# Altium PCB udemy_osman.PcbDoc (part 1 of 2) (continued)
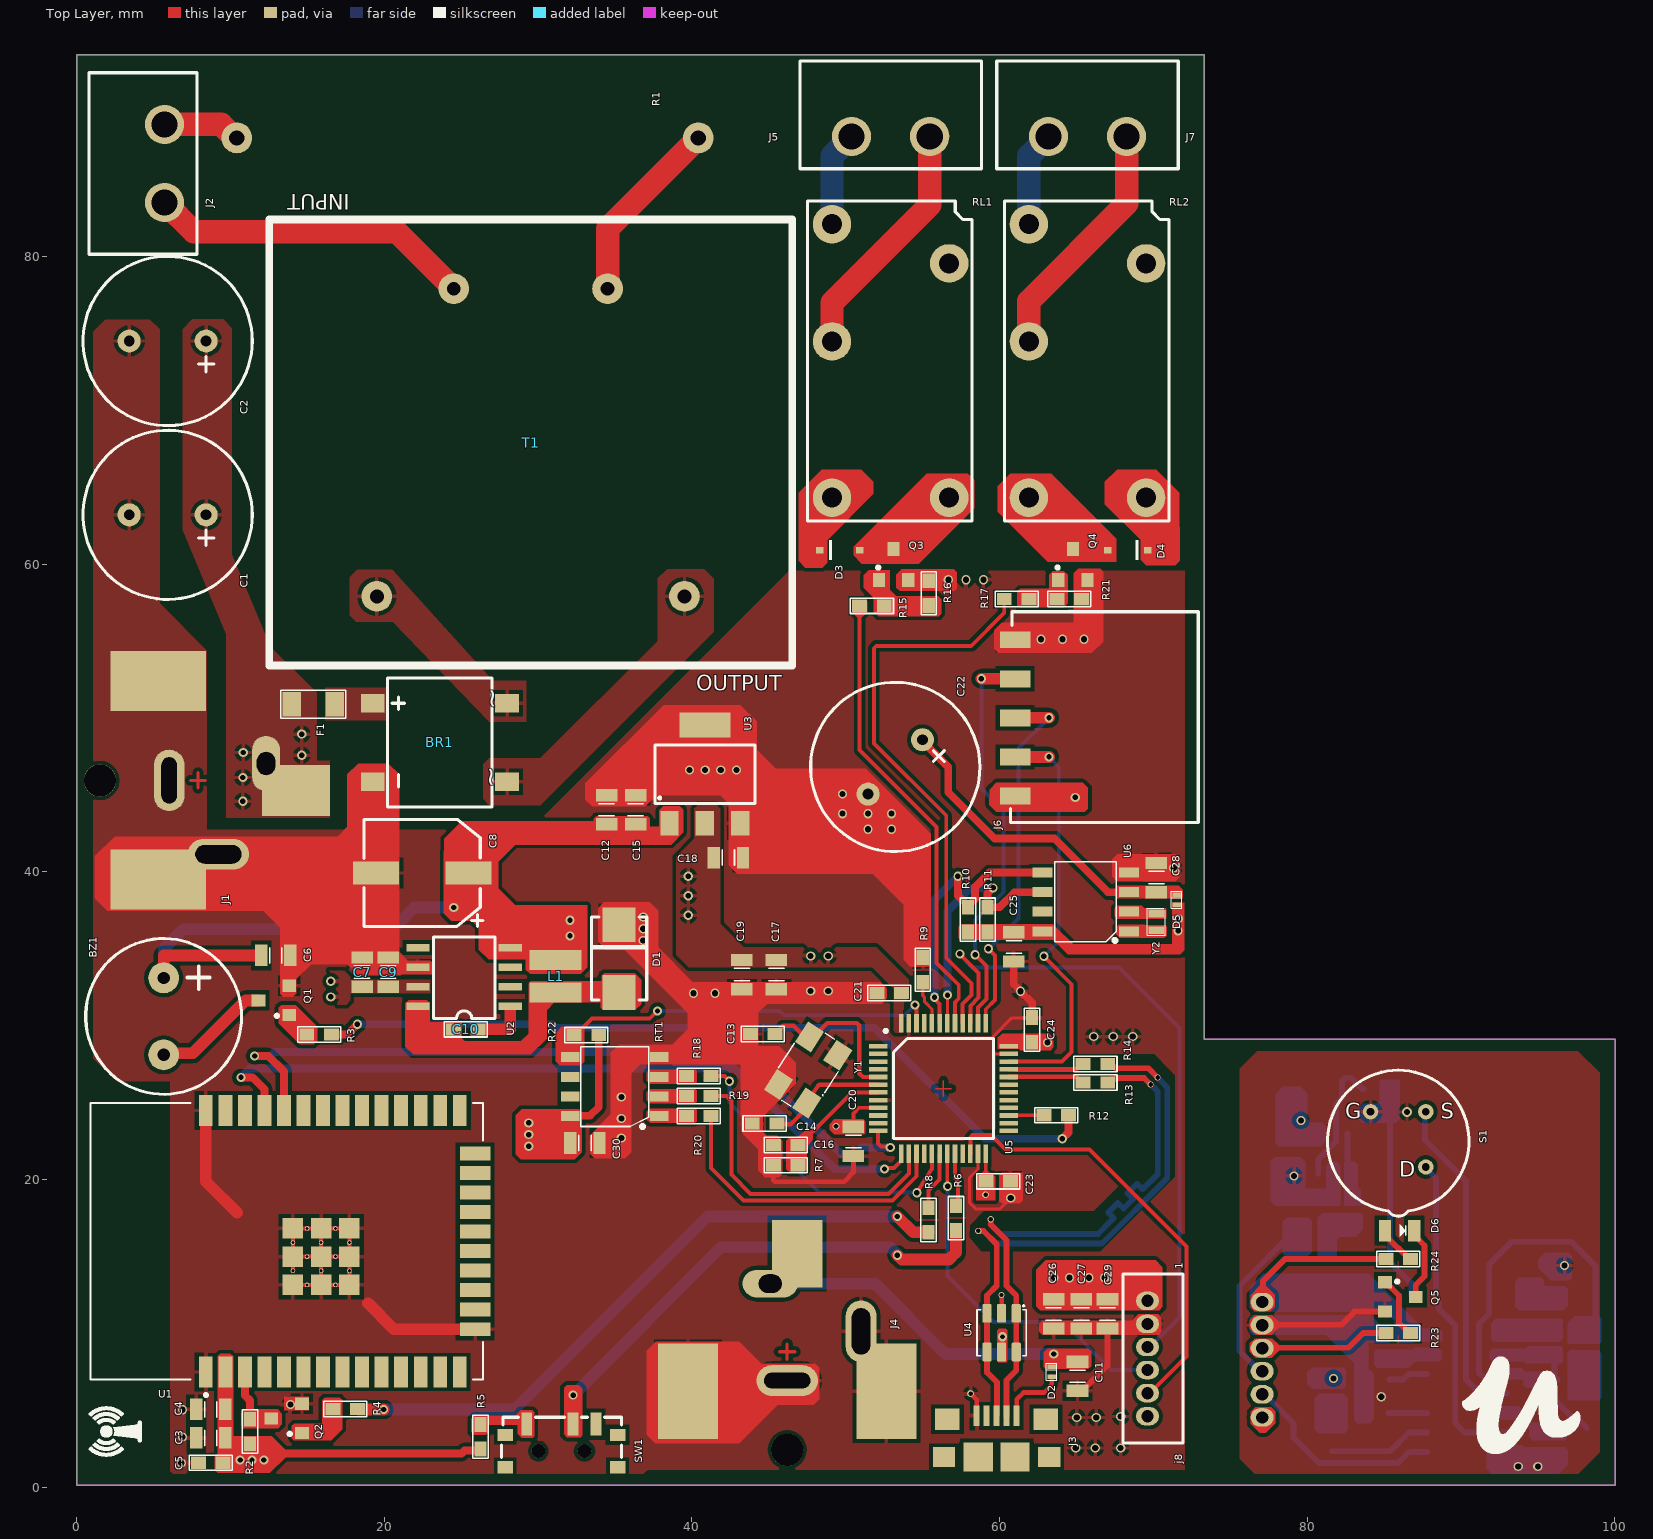
[diagram p0: Top Layer view]
## Components (designator, comment, footprint, x,y, rotation, side; value= is the part's Value field where it differs from the comment)
BR1 "DB105STR" DB105STR 23.62,48.41 r90 top
BZ1 "CMI-9605IC-0580T" CMI-9605IC-0580T 5.659,30.6 r0 top
C1 "470uF" ESH477M050AH4AA 5.92,63.21 r180 top (schematic designator C2)
C2 "470uF" ESH477M050AH4AA 5.92,74.51 r180 top (schematic designator C1)
C3 "CL21B105KBFNNNE" CAP_0805 8.722,3.201 r0 top value=1uF (schematic designator C23)
C4 "CL21A475KAQNNNE" CAP_0805 8.722,5.056 r0 top value=4.7uF (schematic designator C22)
C5 "C0603C104K1RACTU" CAP_0603 8.717,1.583 r0 top value=100nF (schematic designator C24)
C6 "CL21B104KBCNNNC" CAP_0805 12.949,34.563 r180 top value=100nF (schematic designator C30)
C7 "CL21B105KBFNNNE" CAP_0805 18.564,33.481 r270 top value=1uF (schematic designator C5)
C8 "EEV686M035S9HAA" CAP_EEVSERIES 22.474,39.922 r180 top value=68uF (schematic designator C3)
C9 "CL21B104KBCNNNC" CAP_0805 20.264,33.481 r270 top value=100nF (schematic designator C6)
C10 "0603B103K160CT" CAP_0603 25.293,29.762 r180 top value=10nF (schematic designator C7)
C11 "CL21A475KAQNNNE" CAP_0805 65.069,7.207 r90 top value=4.7uF (schematic designator C4)
C12 "CL21B104KBCNNNC" CAP_0805 34.462,44.037 r270 top value=100nF
C13 "CL10C200JB8NNNC" CAP_0603 44.61,29.457 r0 top value=20pF (schematic designator C15)
C14 "CL10C200JB8NNNC" CAP_0603 44.724,23.641 r0 top value=20pF (schematic designator C16)
C15 "CL21B105KBFNNNE" CAP_0805 36.346,44.037 r270 top value=1uF (schematic designator C11)
C16 "C0603C104K1RACTU" CAP_0603 46.108,22.244 r0 top value=100nF (schematic designator C20)
C17 "CL21B105KBFNNNE" CAP_0805 45.494,33.318 r90 top value=1uF (schematic designator C14)
C18 "CL21A475KAQNNNE" CAP_0805 42.372,40.928 r180 top value=4.7uF (schematic designator C13)
C19 "CL21B105KBFNNNE" CAP_0805 43.251,33.318 r90 top value=1uF (schematic designator C26)
C20 "CL21A475KAQNNNE" CAP_0805 50.502,22.472 r90 top value=4.7uF (schematic designator C25)
C21 "C0603C104K1RACTU" CAP_0603 52.827,32.124 r0 top value=100nF (schematic designator C28)
C22 "ESH477M050AH4AA" ESH477M050AH4AA 53.223,46.821 r225 top value=470uF (schematic designator C17)
C23 "C0603C104K1RACTU" CAP_0603 59.913,19.882 r180 top value=100nF (schematic designator C29)
C24 "C0603C104K1RACTU" CAP_0603 62.123,29.724 r270 top value=100nF (schematic designator C27)
C25 "CL21B105KBFNNNE" CAP_0805 60.929,35.122 r90 top value=1uF (schematic designator C19)
C26 "CL21A475KAQNNNE" CAP_0805 63.52,11.256 r90 top value=4.7uF (schematic designator C8)
C27 "CL21A475KAQNNNE" CAP_0805 65.32,11.256 r90 top value=4.7uF (schematic designator C9)
C28 "CL21B104KBCNNNC" CAP_0805 70.2,39.628 r270 top value=100nF (schematic designator C18)
C29 "CL21B105KBFNNNE" CAP_0805 67.02,11.256 r90 top value=1uF (schematic designator C10)
C30 "CL21B105KBFNNNE" CAP_0805 33.05,22.371 r180 top value=1uF (schematic designator C21)
C31 "C3216X5R1E336M160AC" CAP_1206 98.173,5.182 r270 bottom value=33uF (schematic designator C32)
C32 "0603B103K160CT" CAP_0603 98.673,9.082 r90 bottom value=10nF (schematic designator C37)
C33 "0603B103K160CT" CAP_0603 96.073,9.463 r90 bottom value=10nF (schematic designator C31)
C34 "C0603C104K1RACTU" CAP_0603 96.354,2.82 r90 bottom value=100nF (schematic designator C40)
C35 "C3216X5R1E336M160AC" CAP_1206 93.173,12.582 r0 bottom value=33uF (schematic designator C38)
C36 "C0603C104K1RACTU" CAP_0603 87.573,12.475 r0 bottom value=100nF (schematic designator C39)
C37 "CL21B105KBFNNNE" CAP_0805 83.397,11.499 r90 bottom value=1uF (schematic designator C36)
C38 "C0603C104K1RACTU" CAP_0603 84.943,9.158 r270 bottom value=100nF (schematic designator C33)
C39 "CL21A475KAQNNNE" CAP_0805 81.497,11.499 r90 bottom value=4.7uF (schematic designator C35)
C40 "CL21A475KAQNNNE" CAP_0805 81.473,17.982 r270 bottom value=4.7uF (schematic designator C42)
C41 "CL21A475KAQNNNE" CAP_0805 79.597,11.499 r90 bottom value=4.7uF (schematic designator C34)
C42 "CL21B105KBFNNNE" CAP_0805 79.473,17.882 r270 bottom value=1uF (schematic designator C43)
C43 "CL21B104KBCNNNC" CAP_0805 78.973,21.782 r90 bottom value=100nF (schematic designator C41)
D1 "1SMB5919BT3G" SMB 35.265,34.357 r270 top (schematic designator D4)
D2 "RB521CS30L,315" SOD882 63.393,7.512 r270 top (schematic designator D3)
D3 "1N4148WS" SOD-323F 49.62,60.91 r0 top value=4pF (schematic designator D1)
D4 "1N4148WS" SOD-323F 68.338,60.91 r180 top value=4pF (schematic designator D2)
D5 "RB521CS30L,315" SOD882 71.521,38.195 r270 top
D6 "LS R976-NR-1" LED_RED_0805 86.007,16.681 r180 top (schematic designator D7)
D7 "CMD17-21VGD/TR8" LED_GREEN_0805 81.613,3.282 r90 bottom (schematic designator D6)
F1 "FUS 3413.0216.22" 3413.0216.22 15.387,50.895 r180 top
J1 "PJ-037AH-SMT-TR" JACK 7.894,45.942 r0 top (schematic designator J3)
J2 "TBP01R1-508-02BE" TBP01R1-508 5.72,86.05 r270 top
J3 "10118192-0002LF" 10118192-0002LF 59.812,3.295 r0 top
J4 "PJ-037AH-SMT-TR" JACK 46.197,8.803 r90 top
J5 "TBP01R1-508-02BE" TBP01R1-508 52.92,87.81 r180 top
J6 "SMH-105-02-L-S" PINHEADER_1X5_RA 61.02,50.01 r90 top (schematic designator J7)
J7 "TBP01R1-508-02BE" TBP01R1-508 65.72,87.81 r180 top (schematic designator J6)
j8 "64800611622" 64800611622_ 69.621,8.36 r270 top
j9 "64800611622" 64800611622_ 77.073,8.282 r270 bottom
L1 "78438335470" IND_1212 31.135,33.208 r90 top value=47uH
Q1 "MMBT3904-7-F" SOT23-3 12.822,31.642 r90 top (schematic designator Q3)
Q2 "MMBT3904-7-F" SOT23-3 13.657,4.466 r90 top (schematic designator Q4)
Q3 "MMBT3904-7-F" SOT23-3 53.114,59.983 r0 top (schematic designator Q1)
Q4 "MMBT3904-7-F" SOT23-3 64.775,59.983 r0 top (schematic designator Q2)
Q5 "MMBT3904-7-F" SOT23-3 86.058,12.363 r270 top
R1 "5WD27" 5WD27 25.42,87.71 r0 top
R2 "RC0201JR-071KL" RES_0603 11.27,3.615 r90 top value=1kR (schematic designator R21)
R3 "RC0603FR-07100RL" RES_0603 15.768,29.432 r180 top value=100R (schematic designator R20)
R4 "RC0603FR-07100RL" RES_0603 17.47,5.068 r180 top value=100R (schematic designator R22)
R5 "RC0603FR-07100RL" RES_0603 26.258,3.27 r270 top value=100R (schematic designator R6)
R6 "RC0603FR-07100RL" RES_0603 57.17,17.494 r270 top value=100R (schematic designator R7)
R7 "RC0603FR-07100RL" RES_0603 46.096,20.923 r0 top value=100R (schematic designator R13)
R8 "RC0603FR-07100RL" RES_0603 55.392,17.367 r270 top value=100R (schematic designator R12)
R9 "RC0603FR-07100RL" RES_0603 55.011,33.623 r270 top value=100R (schematic designator R14)
R10 "RC0603JR-074K7L" RES_0603 57.957,36.9 r270 top value=4.7kR (schematic designator R8)
R11 "RC0603JR-074K7L" RES_0603 59.227,36.9 r270 top value=4.7kR (schematic designator R9)
R12 "RC0603FR-07100RL" RES_0603 63.685,24.174 r0 top value=100R (schematic designator R15)
R13 "RC0603JR-0715RL" RES_0603 66.238,26.312 r0 top value=15R (schematic designator R10)
R14 "RC0603JR-0715RL" RES_0603 66.238,27.512 r0 top value=15R (schematic designator R11)
R15 "RC0201JR-071KL" RES_0603 51.709,57.296 r0 top value=1kR (schematic designator R2)
R16 "RC0603FR-0710KL" RES_0603 55.4,58.119 r90 top value=10kR (schematic designator R4)
R17 "RC0201JR-071KL" RES_0603 61.11,57.735 r0 top value=1kR (schematic designator R3)
R18 "RC0603FR-07100RL" RES_0603 40.447,26.734 r0 top value=100R
R19 "RC0603FR-07100RL" RES_0603 40.447,25.434 r0 top value=100R
R20 "RC0603FR-07100RL" RES_0603 40.447,24.134 r0 top value=100R (schematic designator R16)
R21 "RC0603FR-0710KL" RES_0603 64.536,57.728 r0 top value=10kR (schematic designator R5)
R22 "RC0603FR-0710KL" RES_0603 33.142,29.381 r0 top value=10kR (schematic designator R17)
R23 "RC0201JR-071KL" RES_0603 85.92,10.014 r0 top value=1kR (schematic designator R33)
R24 "RC0603FR-07100RL" RES_0603 85.918,14.84 r180 top value=100R (schematic designator R32)
R25 "RC0603JR-07560KL" RES_0603 97.373,9.082 r90 bottom value=560kR (schematic designator R28)
R26 "RC0603FR-0710KL" RES_0603 96.373,13.282 r90 bottom value=10kR (schematic designator R30)
R27 "RC0603FR-0710KL" RES_0603 95.473,7.001 r0 bottom value=10kR (schematic designator R26)
R28 "RC0603JR-07560KL" RES_0603 94.773,9.463 r90 bottom value=560kR (schematic designator R24)
R29 "RC0201JR-0743KL" RES_0603 95.054,2.82 r90 bottom value=43kR (schematic designator R31)
R30 "RC0201JR-07220KL" RES_0603 86.243,9.158 r90 bottom value=220kR (schematic designator R23)
R31 "RC0603JR-070RL" RES_0603 84.487,4.83 r0 bottom value=0R (schematic designator R29)
R32 "RC0603JR-070RL" RES_0603 84.538,7.001 r0 bottom value=0R (schematic designator R27)
R33 "RC0603FR-0710KL" RES_0603 84.473,25.882 r180 bottom value=10kR (schematic designator R36)
R34 "RC0201JR-071KL" RES_0603 82.973,17.982 r270 bottom value=1kR
R35 "RC0201JR-071KL" RES_0603 81.713,6.282 r90 bottom value=1kR (schematic designator R25)
R36 "SR0603FR-7T100KL" RES_0603 80.474,15.587 r180 bottom value=100k (schematic designator R35)
RL1 "ALQ112" ALQ112 52.92,73.21 r90 top
RL2 "ALQ112" ALQ112 65.72,73.21 r90 top
RT1 "MAX6662MSA+" MAX6662MSA+ 34.99,26.044 r90 top
RT2 "TFPT1206L1002FM" TFPT1206 80.473,24.882 r0 bottom value=10kR
S1 "LHI 878/3902" "LHI 878" 85.92,22.61 r0 top
SW1 "EG1215AA" SW_EG1215AA 31.521,2.343 r0 top
T1 "BV302S12010-ZU" BV302S12010-ZU 29.52,67.91 r0 top
U1 "ESP32-WROOM-32" ESP32 17.156,15.982 r90 top (schematic designator U6)
U2 "LM2675MX-12/NOPB" LM2675MX-12/NOPB 25.191,33.166 r90 top (schematic designator U1)
U3 "AP7361-33E-13" AP7361-33E-13 40.846,46.349 r0 top (schematic designator U2)
U4 "USBLC6-2SC6" SOT23-6 60.137,10.039 r270 top value=3.5pF (schematic designator U3)
U5 "STM32F103C6T6A" LQFP-48 56.355,25.912 r270 top
U6 "M41T00M6F" M41T00 65.603,38.043 r90 top (schematic designator U4)
U7 "NCS36000DRG" SOIC-14 90.405,6.087 r270 bottom
U8 "OPA314AIDBVR" SOT23-5 81.673,21.682 r90 bottom
Y1 "ECS-160-20-30B-TR" ECS 47.558,27.126 r57 top (schematic designator Y2)
Y2 "ABS05-32.768KHZ-T" ABS05 70.2,36.747 r270 top (schematic designator Y1)

## Footprints (in the part's own frame and the unit in brackets; to place one, negate y for a bottom-side part, rotate by r counter-clockwise, add the part's x,y. Pads: shape width x height; smd on the part's side, far side on the other; paste and mask are expansions set on the pad)
5WD27 [mm]
  round 2 hole 1 mask+0.06: 1(-15,0) 2(15,0)
  body extent -15.4,-4.82 15.4,4.83, height 9.65
3413.0216.22 [mm] "FUSE"
  rect 1.2x1.6 smd mask+0.06: 1(-1.4,0) 2(1.4,0)
  silkscreen extent -2.1,-0.9 2.1,0.9, body extent -1.6,-0.8 1.6,0.8, height 0.61
10118192-0002LF [mm] "usb b"
  rect 0.4x1.35 smd: 1(-1.3,1.338) 2(-0.65,1.338) 3(0,1.338) 4(0.65,1.338) 5(1.3,1.338)
  rect 1.45x1.3 smd: 6(-3.425,-1.337) 6(3.425,-1.337)
  rect 1.6x1.4 smd: 6(-3.2,1.113) 6(3.2,1.113)
  rect 1.9x1.9 smd: 6(-1.2,-1.337) 6(1.2,-1.337)
  body extent -3.9,-3.51 3.9,1.49, height 2.73
64800611622_ [mm]
  oval 1.2x1.5 hole 0.8 mask+0.06: 1(-3.75,0) 2(-2.25,0) 3(-0.75,0) 4(0.75,0) 5(2.25,0) 6(3.75,0)
  silkscreen extent -5.5,-1.6 5.5,2.3, body extent -5.25,-1.35 5.25,2.15, height 4.75
ABS05 [mm]
  rect 0.5x1 smd mask+0.06: 1(-0.55,0) 2(0.55,0)
  silkscreen extent -0.88,-0.58 0.88,0.58, body extent -0.8,-0.5 0.8,0.5, height 0.5
ALQ112 [mm]
  round 2.5 hole 1.3 paste-2539.97 mask+0.05: 1(6.35,-3.81) 2(1.27,3.81) 3(8.89,3.81) 4(-8.89,-3.81) 5(-8.89,3.81)
  silkscreen extent -10.4,-5.3 10.4,5.4, body extent -10,-5 10,5, height 15.6
AP7361-33E-13 [mm]
  rect 1.2x1.6 smd paste+0 mask+0.06: 1(-2.3,-3.2) 2(0,-3.2) 3(2.3,-3.2)
  rect 3.3x1.6 smd paste+0 mask+0.06: 3(0,3.2)
  silkscreen extent -3.25,-1.9 3.25,1.9, body extent -3.25,-3.5 3.25,3.5, height 1.8
BV302S12010-ZU [mm]
  round 2 hole 0.9 mask+0.06: 1(-5,10) 5(5,10) 7(-10,-10) 9(10,-10)
  silkscreen extent -17,-14.5 17,14.5, body extent -16.25,-13.75 16.25,13.75, height 21.9
CAP_0603 [mil]
  rect 38x31 smd paste+0 mask+1.97: 1(-31.5,0) 2(31.5,0)
  silkscreen extent -55,-20 55,20, body extent -41,-20 41,20, height 31
CAP_0805 [mm]
  rect 0.8x1.4 smd mask+0.06: 1(-0.95,0)
  rect 0.8x1.4 smd paste+0 mask+0.06: 2(0.95,0)
  silkscreen extent -0.4,-0.5 0.4,0.5, body extent -1,-0.63 1,0.63, height 1.4
CAP_1206 [mm]
  rect 1.44x1.82 smd mask+0.06: 1(-1.336,0) 2(1.336,0)
  silkscreen extent -0.48,-0.87 0.48,0.87, body extent -1.6,-0.8 1.6,0.8, height 1.8
CAP_EEVSERIES [mm]
  rect 3x1.5 smd mask+0.06: 1(-3,0) 2(3,0)
  silkscreen extent -3.94,-3.48 3.8,3.48, body extent -3.8,-3.4 3.8,3.4, height 8.01
CMI-9605IC-0580T [mm]
  round 2 hole 0.8 paste-2539.97 mask+0.05: 1(0,2.5) 2(0,-2.5)
  silkscreen extent -5.06,-5.06 5.06,5.06, body extent -4.8,-4.8 4.8,5.5, height 5.2
DB105STR [mm]
  rect 1.2x1.55 smd paste+0 mask+0.06: 1(-2.552,-4.37) 2(2.552,-4.37) 3(2.552,4.37) 4(-2.552,4.37)
  silkscreen extent -4.2,-3.4 4.2,3.4, body extent -4.15,-4.95 4.15,4.95, height 3.4
ECS [mm]
  rect 1.6x1.25 smd mask+0.06: 1(-1.85,-1.1) 2(1.85,-1.1) 3(1.85,1.1) 4(-1.85,1.1)
  silkscreen extent -2.6,-1.73 2.6,1.7, body extent -2.5,-1.6 2.5,1.6, height 0.85
ESH477M050AH4AA [mm]
  round 1.5 hole 0.7 mask+0.06: 1(-2.5,0) 2(2.5,0)
  silkscreen extent -5.5,-5.5 5.5,5.5, body extent -5.25,-5.25 5.25,5.25, height 22.1
ESP32 [mm]
  rect 2x0.9 smd mask+0.06: 1(-8.5,8.755) 2(-8.5,7.485) 3(-8.5,6.215) 4(-8.5,4.945) 5(-8.5,3.675) 6(-8.5,2.405) 7(-8.5,1.135) 8(-8.5,-0.135) 9(-8.5,-1.405) 10(-8.5,-2.675) 11(-8.5,-3.945) 12(-8.5,-5.215) 13(-8.5,-6.485) 14(-8.5,-7.755) 25(8.5,-7.755) 26(8.5,-6.485) 27(8.5,-5.215) 28(8.5,-3.945) 29(8.5,-2.675) 30(8.5,-1.405) 31(8.5,-0.135) 32(8.5,1.135) 33(8.5,2.405) 34(8.5,3.675) 35(8.5,4.945) 36(8.5,6.215) 37(8.5,7.485) 38(8.5,8.755)
  rect 0.9x2 smd mask+0.06: 15(-5.715,-8.755) 16(-4.445,-8.755) 17(-3.175,-8.755) 18(-1.905,-8.755) 19(-0.635,-8.755) 20(0.635,-8.755) 21(1.905,-8.755) 22(3.175,-8.755) 23(4.445,-8.755) 24(5.715,-8.755)
  rect 1.33x1.33 smd mask+0.06: 39(-2.835,3.09) 39(-2.835,-0.58) 39(-2.835,1.255) 39(-1,3.09) 39(-1,-0.58) 39(-1,1.255) 39(0.835,3.09) 39(0.835,-0.58) 39(0.835,1.255)
  round 0.3 hole 0.2 mask+0.06: 39(-2.835,0.338) 39(-2.835,2.173) 39(-1.917,3.09) 39(-1.917,-0.58) 39(-1.917,1.255) 39(-1,2.173) 39(-1,0.338) 39(-0.082,3.09) 39(-0.082,1.255) 39(-0.082,-0.58) 39(0.835,2.173) 39(0.835,0.338)
  silkscreen extent -10.1,-9.25 9,16.25, body extent -9,-9.25 9,16.25, height 3.2
IND_1212 [mm]
  rect 1.3x3.4 smd: 1(-1.05,0) 2(1.05,0)
  body extent -1.5,-1.5 1.5,1.5, height 1.2
JACK [mm]
  oval 1.8x3.6 hole 1.2 slot 1.5 at 90 deg: 1(4.425,1.1)
  rect 4.4x3.3 smd: 1(6.375,-0.65)
  rect 6.2x3.9 smd: 2(-2.575,6.45) 3(-2.575,-6.45)
  oval 2x4 hole 1 slot 3 at 90 deg: 2(-1.875,0)
  oval 4x2 hole 1.2 slot 3 at 0 deg: 3(1.325,-4.8)
  round 2.1 hole 2.1 unplated: ""(-6.375,0)
  Top Layer lines w0.2: -0.5,0 0.5,0 ; 0,-0.5 0,0.5
  body extent -9.38,-7.55 7.73,7.65, height 11
LED_GREEN_0805 [mm]
  rect 0.8x1.4 smd mask+0.06: 1(-0.95,0)
  rect 0.8x1.4 smd paste+0 mask+0.06: 2(0.95,0)
  silkscreen extent -0.4,-0.4 0,0.4, body extent -1.01,-0.63 1.01,0.63, height 1.1
LED_RED_0805 [mm]
  rect 0.8x1.4 smd mask+0.06: 1(-0.95,0)
  rect 0.8x1.4 smd paste+0 mask+0.06: 2(0.95,0)
  silkscreen extent -0.4,-0.4 0,0.4, body extent -1.01,-0.63 1.01,0.63, height 1.1
"LHI 878" [mm]
  round 1 hole 0.5 paste-2539.97 mask+0.06: 1(1.796,-1.796) 2(1.796,1.796) 3(-1.796,1.796)
  silkscreen extent -4.59,-5 4.6,4.49, body extent -4.6,-5.03 4.6,4.6, height 4.6
LM2675MX-12/NOPB [mm]
  rect 0.5x1.5 smd paste+0 mask+0.05: 1(-1.905,-3) 2(-0.635,-3) 3(0.635,-3) 4(1.905,-3) 5(1.905,3) 6(0.635,3) 7(-0.635,3) 8(-1.905,3)
  silkscreen extent -2.7,-2 2.6,2, body extent -2.45,-2.95 2.45,2.95, height 1.5
LQFP-48 [mm] "7mmx7mm"
  rect 0.3x1.2 smd paste+0 mask+0.05: 1(-2.75,-4.25) 2(-2.25,-4.25) 3(-1.75,-4.25) 4(-1.25,-4.25) 5(-0.75,-4.25) 6(-0.25,-4.25) 7(0.25,-4.25) 8(0.75,-4.25) 9(1.25,-4.25) 10(1.75,-4.25) 11(2.25,-4.25) 12(2.75,-4.25) 25(2.75,4.25) 26(2.25,4.25) 27(1.75,4.25) 28(1.25,4.25) 29(0.75,4.25) 30(0.25,4.25) 31(-0.25,4.25) 32(-0.75,4.25) 33(-1.25,4.25) 34(-1.75,4.25) 35(-2.25,4.25) 36(-2.75,4.25)
  rect 1.2x0.3 smd paste+0 mask+0.05: 13(4.25,-2.75) 14(4.25,-2.25) 15(4.25,-1.75) 16(4.25,-1.25) 17(4.25,-0.75) 18(4.25,-0.25) 19(4.25,0.25) 20(4.25,0.75) 21(4.25,1.25) 22(4.25,1.75) 23(4.25,2.25) 24(4.25,2.75) 37(-4.25,2.75) 38(-4.25,2.25) 39(-4.25,1.75) 40(-4.25,1.25) 41(-4.25,0.75) 42(-4.25,0.25) 43(-4.25,-0.25) 44(-4.25,-0.75) 45(-4.25,-1.25) 46(-4.25,-1.75) 47(-4.25,-2.25) 48(-4.25,-2.75)
  Top Layer lines w0.1: 0,-0.5 0,0.5 ; 0.5,0 -0.5,0
  silkscreen extent -3.85,-3.85 3.25,3.25, body extent -4.5,-4.5 4.5,4.5, height 1.55
M41T00 [mm]
  rect 0.65x1.3 smd mask+0.06: 1(-1.905,-2.8) 2(-0.635,-2.8) 3(0.635,-2.8) 4(1.905,-2.8) 5(1.905,2.8) 6(0.635,2.8) 7(-0.635,2.8) 8(-1.905,2.8)
  silkscreen extent -2.6,-2 2.6,2, body extent -2.45,-3 2.45,3, height 1.75
MAX6662MSA+ [mm]
  rect 0.65x1.2 smd mask+0.06: 1(-1.905,-2.9) 2(-0.635,-2.9) 3(0.635,-2.9) 4(1.905,-2.9) 5(1.905,2.9) 6(0.635,2.9) 7(-0.635,2.9) 8(-1.905,2.9)
  silkscreen extent -2.7,-2.2 2.6,2.2, body extent -2.45,-3 2.45,3, height 1.75
PINHEADER_1X5_RA [mm]
  rect 1.1x2 smd: 1(-5.08,0) 2(-2.54,0) 3(0,0) 4(2.54,0) 5(5.08,0)
  silkscreen extent -6.8,-11.9 6.9,0.3, body extent -6.6,-11.69 6.6,0.25, height 2.42
RES_0603 [mil]
  rect 38x31 smd paste+0 mask+1.97: 1(-31.5,0) 2(31.5,0)
  silkscreen extent -55,-20 55,20, body extent -39,-20 39,19, height 18
SMB [mm]
  rect 2.25x2.15 smd: 1(-2.2,0) 2(2.2,0)
  silkscreen extent -2.7,-1.8 2.7,1.8, body extent -2.7,-1.81 2.7,1.81, height 2.47
SOD882 [mm]
  rect 0.29x0.53 smd mask+0.06: 1(-0.325,0) 2(0.325,0)
  silkscreen extent -0.55,-0.36 0.56,0.34, body extent -0.5,-0.3 0.5,0.3, height 0.48
SOD-323F [mm]
  rect 0.5x0.4 smd mask+0.06: 1(-1.3,0) 2(1.3,0)
  silkscreen extent -0.7,-0.65 -0.5,0.65, body extent -1.34,-0.65 1.34,0.65, height 1.15
SOIC-14 [mm]
  rrect25% 0.61x1.6 smd mask+0.06: 1(-3.81,-2.605) 2(-2.54,-2.605) 3(-1.27,-2.605) 4(0,-2.605) 5(1.27,-2.605) 6(2.54,-2.605) 7(3.81,-2.605) 8(3.81,2.605) 9(2.54,2.605) 10(1.27,2.605) 11(0,2.605) 12(-1.27,2.605) 13(-2.54,2.605) 14(-3.81,2.605)
  silkscreen extent -4.45,-2 4.45,2, body extent -4.33,-3.1 4.33,3.1, height 1.76
SOT23-3 [mm]
  rect 0.8x0.9 smd mask+0.06: 1(-0.95,-1) 2(0.95,-1) 3(0,1)
  silkscreen extent -1.1,-0.3 -0.9,-0.1, body extent -1.45,-1.2 1.45,1.2, height 1.1
SOT23-5 [mm]
  rect 1.1x0.6 smd mask+0.06: 1(-1.3,0.95) 2(-1.3,0) 3(-1.3,-0.95) 4(1.3,0.95) 5(1.3,-0.95)
  silkscreen extent -1.4,-1.39 0.81,1.6, body extent -1.4,-1.45 1.4,1.45, height 1.45
SOT23-6 [mm]
  rrect25% 1.21x0.59 smd mask+0.06: 1(-1.255,0.95) 2(-1.255,0) 3(-1.255,-0.95) 4(1.255,-0.95) 5(1.255,0) 6(1.255,0.95)
  silkscreen extent -1.75,-1.6 1.5,1.59, body extent -1.5,-1.52 1.5,1.52, height 1.45
SW_EG1215AA [mm]
  rect 0.7x1.5 smd: 1(-2.25,1.75) 2(0.75,1.75) 3(2.25,1.75)
  rect 1x0.8 smd: S1(-3.65,1.05) S2(-3.65,-1.05) S3(3.65,-1.05) S4(3.65,1.05)
  round 0.9 hole 0.9 unplated: ""(-1.5,0) ""(1.5,0)
  silkscreen extent -3.9,-0.4 3.9,2.2, body extent -3.85,-2.7 3.85,2.2, height 1.4
TBP01R1-508 [mm]
  round 2.55 hole 1.7: 1(-2.54,0) 2(2.54,0)
  silkscreen extent -5.9,-4.9 5.9,2.1, body extent -5.86,-9.9 5.9,2.1, height 8.5
TFPT1206 [mm]
  rect 1.15x1.7 smd: 1(-1.4,0) 2(1.4,0)
  silkscreen extent -2.15,-1.03 2.15,1.03, body extent -1.53,-0.75 1.53,0.75, height 0.65

## Part data
BR1: "Bridge Rect 1PHASE 600V 1A Db-s", Manufacturer="Sangdest Microelectronics", Max Current=1A, Operating Voltage=600V, Supplier Part Number=1655-DB105SCT-ND, Category=Uncategorized, Designed By=Osman, Manufacturer Part Number=DB105STR, RoHS=No, Stock=19251, Supplier=Digi-Key
BZ1: "Audio Buzzer Magnetic 3VDC 7VDC 30mA 5VDC 85dB 2600Hz to 2800Hz Through Hole Pin Box", Manufacturer="CUI Devices", Supplier Part Number=490-CMI-9605IC-0580T, Category="Audio Products", Manufacturer Part Number=CMI-9605IC-0580T, Pricing="1=1,42, 10=1,19, 50=1,04, 100=0,975, 1000=0,838, 10000=0,768 (USD)", RoHS=No, Stock=1177, Supplier=Mouser
C1 C2: library part "CAP ALU 470uF", "Cap, 470UF, 50V, Alu Elec, Radial", Manufacturer=KEMET, Manufacturer Part Number=ESH477M050AH4AA, Supplier Part Number=80-ESH477M050AH4AA, ComponentLink1Description=https://api.kemet.com/component-edge/download/datasheet/ESH477M050AH4AA.pdf?src-supplier=Digi-Key, ComponentLink1URL=https://api.kemet.com/component-edge/download/datasheet/ESH477M050AH4AA.pdf?src-supplier=Digi-Key, ComponentLink2Description=https://datasheet.octopart.com/ESH477M050AH4AA-KEMET-datasheet-130075338.pdf?src-supplier=Newark, ComponentLink2URL=https://datasheet.octopart.com/ESH477M050AH4AA-KEMET-datasheet-130075338.pdf?src-supplier=Newark, Designed By=Osman, Pricing="1=0,57, 10=0,338, 50=0,338, 100=0,222, 1000=0,167, 10000=0,148 (USD)", RoHS=Yes, Stock=9408, Supplier=Mouser
C3 C7 C15 C17 C19 C25 C29 C30 C37 C42: library part "CAP CER 1uF 0805", "CAP CER 1uF %10 0805", Case Code (Metric)=2012, Case Code (Imperial)=0805, Dielectric=X7R, Manufacturer=Samsung, Max Operating Temperature=125°C, Min Operating Temperature=-55°C, Package Quantity=1, Supplier Part Number=187-CL21B105KBFNNNE, Tolerance=10%, Voltage=50V, Case/Package=0805, Category="Ceramic Capacitors", ComponentLink1Description=https://datasheet.ciiva.com/25800/cl21b105kbfnnne-25800291.pdf?src-supplier=Digi-Key, ComponentLink1URL=https://datasheet.ciiva.com/25800/cl21b105kbfnnne-25800291.pdf?src-supplier=Digi-Key, Construction=Flat, Depth=1.25mm, Designed By=Osman, Height=1.25mm, Length=2mm, Manufacturer Part Number=CL21B105KBFNNNE, Material=Ceramic, Mounting Technology="Surface Mount", Packaging="Tape and Reel", Pricing="1=0,11, 10=0,045, 50=0,045, 100=0,027, 1000=0,026, 10000=0,015 (USD)", Radiation Hardening=No, RoHS=Yes, RoHS Compliant=Yes, Series=CL, Stock=126210, Supplier=Mouser, Thickness=0.053inch, Voltage Rating=50V, Voltage Rating (DC)=50V, Width=0.049inch
C4 C11 C18 C20 C26 C27 C39 C40 C41: library part "CAP CER 4.7uF 0805", "CAP CER 4.7uF %10 0805", Case Code (Metric)=2012, Case Code (Imperial)=0805, Dielectric=X5R, Manufacturer=Samsung, Max Operating Temperature=85°C, Min Operating Temperature=-55°C, Supplier Part Number=187-CL21A475KAQNNNE, Tolerance=10%, Voltage Rating=25V, Case/Package=0805, Category="Ceramic Capacitors", ComponentLink1Description=https://datasheet.ciiva.com/25798/cl21a475kaqnnne-25798882.pdf?src-supplier=Digi-Key, ComponentLink1URL=https://datasheet.ciiva.com/25798/cl21a475kaqnnne-25798882.pdf?src-supplier=Digi-Key, Construction=Flat, Depth=1.25mm, Height=1.25mm, Lead Free="Lead Free", Length=2mm, Manufacturer Part Number=CL21A475KAQNNNE, Material=Ceramic, Mounting Technology="Surface Mount", Packaging="Tape and Reel", Pricing="1=0,1, 10=0,059, 50=0,059, 100=0,035, 1000=0,025, 10000=0,012 (USD)", Radiation Hardening=No, RoHS=Yes, RoHS Compliant=Yes, Series=CL, Stock=195468, Supplier=Mouser, Voltage Rating (DC)=25V
C5 C16 C21 C23 C24 C34 C36 C38: library part "CAP CER 100nf 0603", "Capacitor, 0.1UF, 100V, MLCC, 0603;", Manufacturer=KEMET, Supplier Part Number=399-C0603C104K1RACTUCT-ND, Category="Ceramic Capacitors", Designed By=Osman, Manufacturer Part Number=C0603C104K1RACTU, Pricing="1=0,27, 10=0,185, 50=0,1232, 100=0,1048, 500=0,07396, 1000=0,06471 (USD)", RoHS=No, Stock=5862, Supplier=Digi-Key
C6 C9 C12 C28 C43: library part "CAP CER 100nF 0805", Case Code (Metric)=2012, Case Code (Imperial)=0805, Dielectric=X7R, Manufacturer=Samsung, Max Operating Temperature=125°C, Min Operating Temperature=-55°C, Supplier Part Number=187-CL21B104KBCNNNC, Tolerance=10%, Voltage=50V, Case/Package=0805, Category="Ceramic Capacitors", ComponentLink1Description=https://datasheet.ciiva.com/25710/cl21b104kbcnnnc-25710182.pdf?src-supplier=Digi-Key, ComponentLink1URL=https://datasheet.ciiva.com/25710/cl21b104kbcnnnc-25710182.pdf?src-supplier=Digi-Key, ComponentLink2Description=https://datasheet.ciiva.com/29199/454152-da-01-en-vs-kondensator-0805-29199814.pdf?src-supplier=Conrad, ComponentLink2URL=https://datasheet.ciiva.com/29199/454152-da-01-en-vs-kondensator-0805-29199814.pdf?src-supplier=Conrad, Construction=Flat, Depth=1.25mm, Designed By=OSMAN, Height=0.85mm, Lead Free=5697LeadFree, Length=2mm, Manufacturer Part Number=CL21B104KBCNNNC, Material=Ceramic, Mounting Technology="Surface Mount", Packaging="Tape and Reel", Pricing="1=0,1, 10=0,024, 50=0,024, 100=0,014, 1000=0,012, 10000=0,008 (USD)", Radiation Hardening=No, RoHS=Yes, RoHS Compliant=Yes, Series=CL, Stock=995893, Supplier=Mouser, Thickness=0.037inch, Voltage Rating=50V, Voltage Rating (DC)=50V, Width=0.049inch
C8: library part "CAP ALU 68uF", "ALU Electrolytic; SMD; EEV; +105°C; 35VDC; 6.3µF; 6.3 x 7.7", Manufacturer=KEMET, Supplier Part Number=80-EEV686M035S9HAA, Category="Aluminum Electrolytic Capacitors", ComponentLink1Description=https://api.kemet.com/component-edge/download/datasheet/EEV686M035S9HAA.pdf?src-supplier=Digi-Key, ComponentLink1URL=https://api.kemet.com/component-edge/download/datasheet/EEV686M035S9HAA.pdf?src-supplier=Digi-Key, Designed By=Osman, Manufacturer Part Number=EEV686M035S9HAA, Pricing="1=0,32, 10=0,237, 50=0,237, 100=0,175, 1000=0,104, 10000=0,104 (USD)", RoHS=No, Supplier=Mouser